# KiCad board RadianceTKL.kicad_pcb
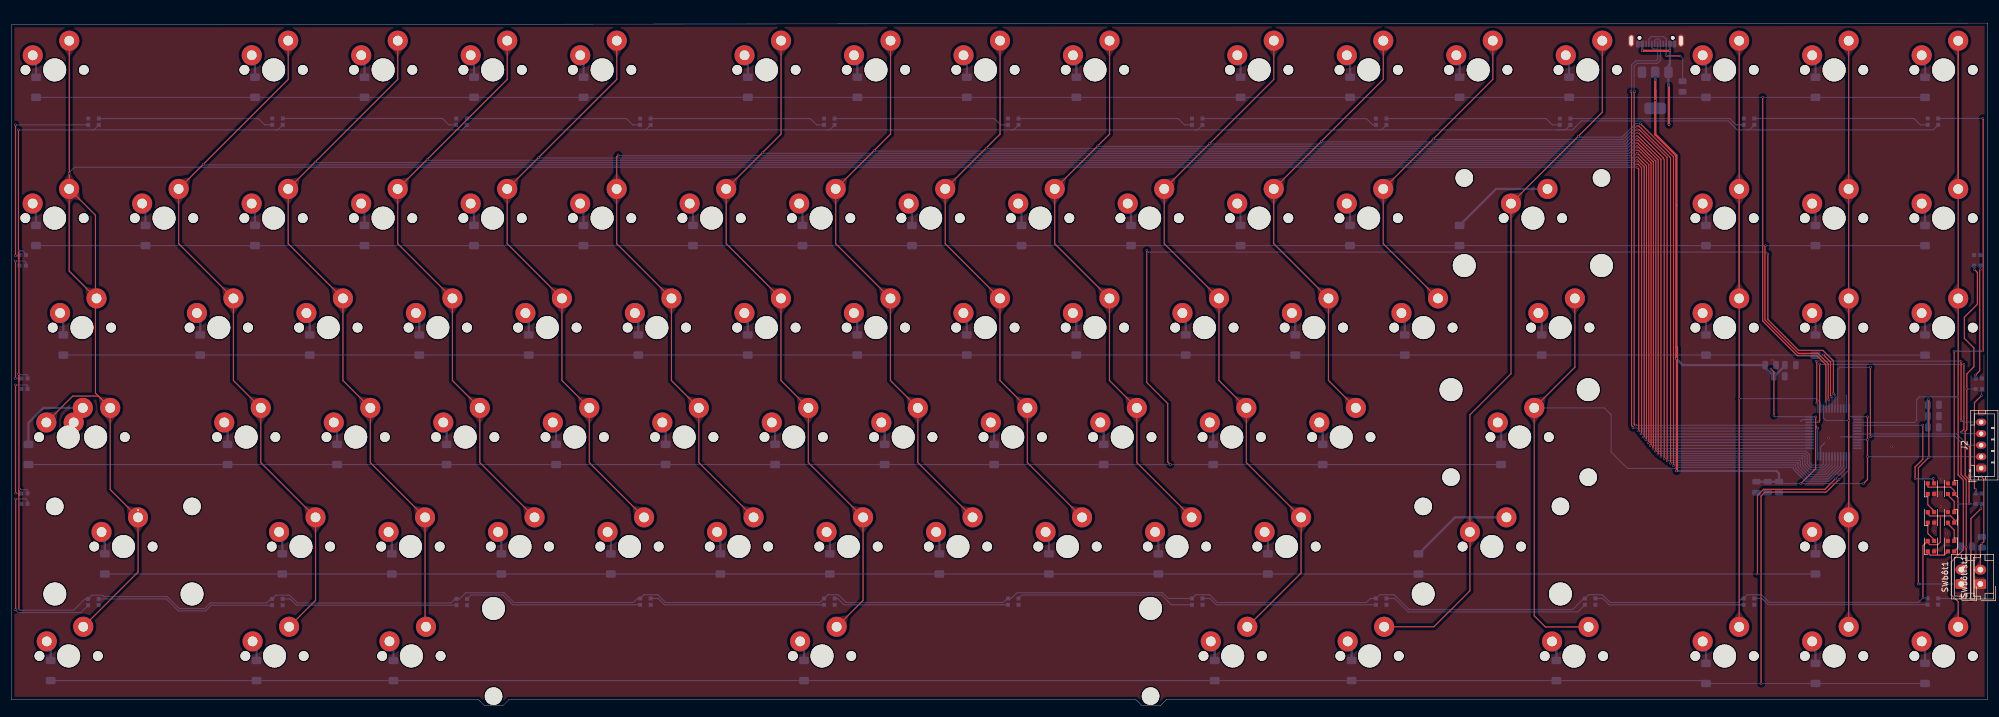
[diagram p0: board, top side]
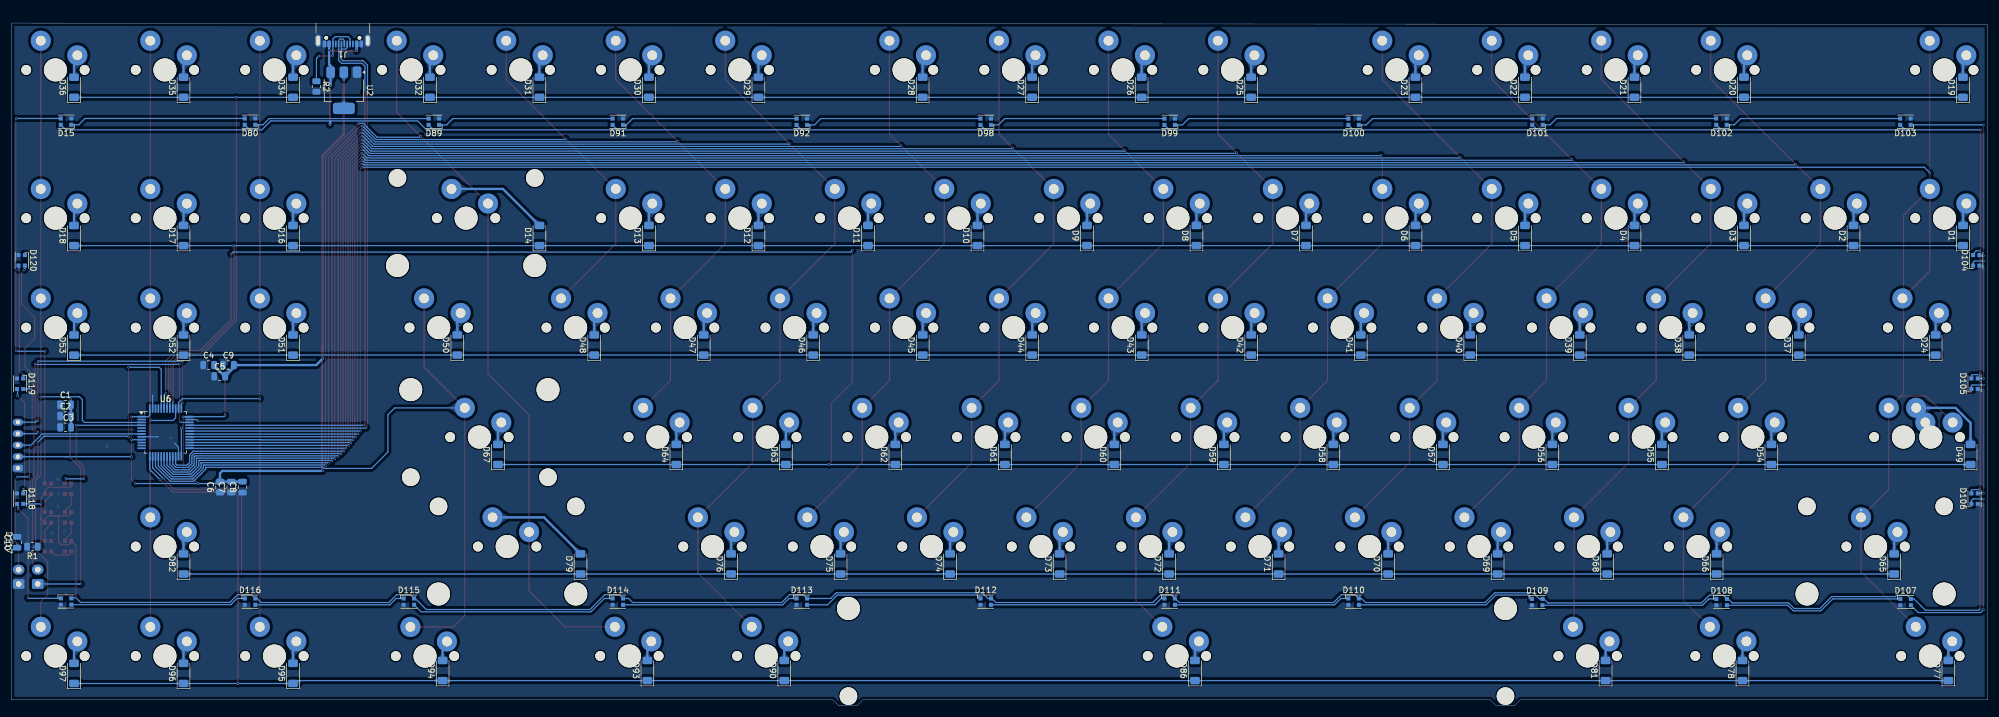
[diagram p1: board, bottom side, seen from below]

Outline 343.75 x 118.75 mm; copper layers: Top, Bottom. Coordinates in mm from the lower left corner of the outline.
Outline path: 0,118.5 0,1 81.25,1 82.25,0 85.5,0 86.5,1 195.62,1 196.62,0 199.88,0 200.88,1 343.75,1 343.75,118.75 0,118.5

## Placement (name value [footprint] x y rotation side)
C1  100nF  [C_0805_2012Metric]  334.35 52.34 180 bottom
C2  4.7uF  [C_0805_2012Metric]  334.35 50.37 180 bottom
C3  100nF  [C_0805_2012Metric]  334.34 48.4 180 bottom
C4  4.7uF  [C_0805_2012Metric]  309.45 59.24 180 bottom
C5  100nF  [C_0805_2012Metric]  307.53 57.29 180 bottom
C6  4.7uF  [C_0805_2012Metric]  307.48 38 90 bottom
C7  100nF  [C_0805_2012Metric]  305.51 38 90 bottom
C8  4.7uF  [C_0805_2012Metric]  303.56 38 90 bottom
C9  4.7uF  [C_0805_2012Metric]  306.02 59.24 180 bottom
C10  4.7uF  [C_0805_2012Metric]  342.78 28.4 90 bottom
D1  D_Small  [D_MiniMELF]  4.25 81.78 90 bottom
D2  D_Small  [D_MiniMELF]  23.3 81.78 90 bottom
D3  D_Small  [D_MiniMELF]  42.36 81.78 90 bottom
D4  D_Small  [D_MiniMELF]  61.4 81.78 90 bottom
D5  D_Small  [D_MiniMELF]  80.46 81.78 90 bottom
D6  D_Small  [D_MiniMELF]  99.5 81.78 90 bottom
D7  D_Small  [D_MiniMELF]  118.55 81.78 90 bottom
D8  D_Small  [D_MiniMELF]  137.61 81.78 90 bottom
D9  D_Small  [D_MiniMELF]  156.65 81.78 90 bottom
D10  D_Small  [D_MiniMELF]  175.71 81.78 90 bottom
D11  D_Small  [D_MiniMELF]  194.75 81.78 90 bottom
D12  D_Small  [D_MiniMELF]  213.8 81.78 90 bottom
D13  D_Small  [D_MiniMELF]  232.86 81.78 90 bottom
D14  D_Small  [D_MiniMELF]  251.9 81.78 90 bottom
D15  WS2812B-2020  [LED_WS2812B-2020_PLCC4_2.0x2.0mm]  334.26 101.6 0 bottom
D16  D_Small  [D_MiniMELF]  294.78 81.77 90 bottom
D17  D_Small  [D_MiniMELF]  313.83 81.77 90 bottom
D18  D_Small  [D_MiniMELF]  332.88 81.77 90 bottom
D19  D_Small  [D_MiniMELF]  4.27 107.57 90 bottom
D20  D_Small  [D_MiniMELF]  42.37 107.58 90 bottom
D21  D_Small  [D_MiniMELF]  61.41 107.58 90 bottom
D22  D_Small  [D_MiniMELF]  80.47 107.58 90 bottom
D23  D_Small  [D_MiniMELF]  99.51 107.58 90 bottom
D24  D_Small  [D_MiniMELF]  9.02 62.73 90 bottom
D25  D_Small  [D_MiniMELF]  128.1 107.58 90 bottom
D26  D_Small  [D_MiniMELF]  147.14 107.58 90 bottom
D27  D_Small  [D_MiniMELF]  166.2 107.58 90 bottom
D28  D_Small  [D_MiniMELF]  185.25 107.58 90 bottom
D29  D_Small  [D_MiniMELF]  213.82 107.58 90 bottom
D30  D_Small  [D_MiniMELF]  232.87 107.58 90 bottom
D31  D_Small  [D_MiniMELF]  251.91 107.58 90 bottom
D32  D_Small  [D_MiniMELF]  270.97 107.58 90 bottom
D33  WS2812B-2020  [LED_WS2812B-2020_PLCC4_2.0x2.0mm]  337.41 37.73 270 top
D34  D_Small  [D_MiniMELF]  294.78 107.57 90 bottom
D35  D_Small  [D_MiniMELF]  313.83 107.57 90 bottom
D36  D_Small  [D_MiniMELF]  332.88 107.57 90 bottom
D37  D_Small  [D_MiniMELF]  32.83 62.73 90 bottom
D38  D_Small  [D_MiniMELF]  51.88 62.73 90 bottom
D39  D_Small  [D_MiniMELF]  70.93 62.73 90 bottom
D40  D_Small  [D_MiniMELF]  89.98 62.73 90 bottom
D41  D_Small  [D_MiniMELF]  109.03 62.73 90 bottom
D42  D_Small  [D_MiniMELF]  128.08 62.73 90 bottom
D43  D_Small  [D_MiniMELF]  147.13 62.73 90 bottom
D44  D_Small  [D_MiniMELF]  166.18 62.73 90 bottom
D45  D_Small  [D_MiniMELF]  185.23 62.73 90 bottom
D46  D_Small  [D_MiniMELF]  204.28 62.73 90 bottom
D47  D_Small  [D_MiniMELF]  223.33 62.73 90 bottom
D48  D_Small  [D_MiniMELF]  242.38 62.73 90 bottom
D49  D_Small  [D_MiniMELF]  2.94 43.68 90 bottom
D50  D_Small  [D_MiniMELF]  266.19 62.73 90 bottom
D51  D_Small  [D_MiniMELF]  294.78 62.72 90 bottom
D52  D_Small  [D_MiniMELF]  313.83 62.72 90 bottom
D53  D_Small  [D_MiniMELF]  332.88 62.72 90 bottom
D54  D_Small  [D_MiniMELF]  37.59 43.68 90 bottom
D55  D_Small  [D_MiniMELF]  56.64 43.68 90 bottom
D56  D_Small  [D_MiniMELF]  75.69 43.68 90 bottom
D57  D_Small  [D_MiniMELF]  94.74 43.68 90 bottom
D58  D_Small  [D_MiniMELF]  113.79 43.68 90 bottom
D59  D_Small  [D_MiniMELF]  132.84 43.68 90 bottom
D60  D_Small  [D_MiniMELF]  151.89 43.68 90 bottom
D61  D_Small  [D_MiniMELF]  170.94 43.68 90 bottom
D62  D_Small  [D_MiniMELF]  189.99 43.68 90 bottom
D63  D_Small  [D_MiniMELF]  209.04 43.68 90 bottom
D64  D_Small  [D_MiniMELF]  228.09 43.68 90 bottom
D65  D_Small  [D_MiniMELF]  16.24 24.63 90 bottom
D66  D_Small  [D_MiniMELF]  47.12 24.63 90 bottom
D67  D_Small  [D_MiniMELF]  259.12 43.68 90 bottom
D68  D_Small  [D_MiniMELF]  66.17 24.63 90 bottom
D69  D_Small  [D_MiniMELF]  85.22 24.63 90 bottom
D70  D_Small  [D_MiniMELF]  104.27 24.63 90 bottom
D71  D_Small  [D_MiniMELF]  123.32 24.63 90 bottom
D72  D_Small  [D_MiniMELF]  142.37 24.63 90 bottom
D73  D_Small  [D_MiniMELF]  161.42 24.63 90 bottom
D74  D_Small  [D_MiniMELF]  180.47 24.63 90 bottom
D75  D_Small  [D_MiniMELF]  199.52 24.63 90 bottom
D76  D_Small  [D_MiniMELF]  218.57 24.63 90 bottom
D77  D_Small  [D_MiniMELF]  6.81 6.09 90 bottom
D78  D_Small  [D_MiniMELF]  42.63 6.09 90 bottom
D79  D_Small  [D_MiniMELF]  244.76 24.63 90 bottom
D80  WS2812B-2020  [LED_WS2812B-2020_PLCC4_2.0x2.0mm]  302.26 101.6 0 bottom
D81  D_Small  [D_MiniMELF]  66.44 6.09 90 bottom
D82  D_Small  [D_MiniMELF]  313.83 24.63 90 bottom
D83  WS2812B-2020  [LED_WS2812B-2020_PLCC4_2.0x2.0mm]  333.91 37.73 90 top
D84  WS2812B-2020  [LED_WS2812B-2020_PLCC4_2.0x2.0mm]  333.91 32.73 90 top
D85  WS2812B-2020  [LED_WS2812B-2020_PLCC4_2.0x2.0mm]  333.91 27.73 90 top
D86  D_Small  [D_MiniMELF]  137.88 6.09 90 bottom
D87  WS2812B-2020  [LED_WS2812B-2020_PLCC4_2.0x2.0mm]  337.41 27.73 270 top
D88  WS2812B-2020  [LED_WS2812B-2020_PLCC4_2.0x2.0mm]  337.41 32.73 270 top
D89  WS2812B-2020  [LED_WS2812B-2020_PLCC4_2.0x2.0mm]  270.27 101.58 0 bottom
D90  D_Small  [D_MiniMELF]  209.32 6.09 90 bottom
D91  WS2812B-2020  [LED_WS2812B-2020_PLCC4_2.0x2.0mm]  238.27 101.58 0 bottom
D92  WS2812B-2020  [LED_WS2812B-2020_PLCC4_2.0x2.0mm]  206.27 101.58 0 bottom
D93  D_Small  [D_MiniMELF]  233.13 6.09 90 bottom
D94  D_Small  [D_MiniMELF]  268.75 6.09 90 bottom
D95  D_Small  [D_MiniMELF]  294.78 5.58 90 bottom
D96  D_Small  [D_MiniMELF]  313.83 5.58 90 bottom
D97  D_Small  [D_MiniMELF]  332.88 5.58 90 bottom
D98  WS2812B-2020  [LED_WS2812B-2020_PLCC4_2.0x2.0mm]  174.27 101.58 0 bottom
D99  WS2812B-2020  [LED_WS2812B-2020_PLCC4_2.0x2.0mm]  142.27 101.58 0 bottom
D100  WS2812B-2020  [LED_WS2812B-2020_PLCC4_2.0x2.0mm]  110.27 101.58 0 bottom
D101  WS2812B-2020  [LED_WS2812B-2020_PLCC4_2.0x2.0mm]  78.28 101.59 0 bottom
D102  WS2812B-2020  [LED_WS2812B-2020_PLCC4_2.0x2.0mm]  46.28 101.6 0 bottom
D103  WS2812B-2020  [LED_WS2812B-2020_PLCC4_2.0x2.0mm]  14.28 101.59 0 bottom
D104  WS2812B-2020  [LED_WS2812B-2020_PLCC4_2.0x2.0mm]  1.96 77.46 90 bottom
D105  WS2812B-2020  [LED_WS2812B-2020_PLCC4_2.0x2.0mm]  2.25 56 90 bottom
D106  WS2812B-2020  [LED_WS2812B-2020_PLCC4_2.0x2.0mm]  2.25 36 90 bottom
D107  WS2812B-2020  [LED_WS2812B-2020_PLCC4_2.0x2.0mm]  14.25 18 180 bottom
D108  WS2812B-2020  [LED_WS2812B-2020_PLCC4_2.0x2.0mm]  46.25 18 180 bottom
D109  WS2812B-2020  [LED_WS2812B-2020_PLCC4_2.0x2.0mm]  78.34 18 180 bottom
D110  WS2812B-2020  [LED_WS2812B-2020_PLCC4_2.0x2.0mm]  110.27 18.08 180 bottom
D111  WS2812B-2020  [LED_WS2812B-2020_PLCC4_2.0x2.0mm]  142.27 18.08 180 bottom
D112  WS2812B-2020  [LED_WS2812B-2020_PLCC4_2.0x2.0mm]  174.27 18.08 180 bottom
D113  WS2812B-2020  [LED_WS2812B-2020_PLCC4_2.0x2.0mm]  206.27 18.08 180 bottom
D114  WS2812B-2020  [LED_WS2812B-2020_PLCC4_2.0x2.0mm]  238.27 18.08 180 bottom
D115  WS2812B-2020  [LED_WS2812B-2020_PLCC4_2.0x2.0mm]  274.62 18.08 180 bottom
D116  WS2812B-2020  [LED_WS2812B-2020_PLCC4_2.0x2.0mm]  302.25 18.08 180 bottom
D117  WS2812B-2020  [LED_WS2812B-2020_PLCC4_2.0x2.0mm]  334.25 18.1 180 bottom
D118  WS2812B-2020  [LED_WS2812B-2020_PLCC4_2.0x2.0mm]  342.25 36 270 bottom
D119  WS2812B-2020  [LED_WS2812B-2020_PLCC4_2.0x2.0mm]  342.25 55.99 270 bottom
D120  WS2812B-2020  [LED_WS2812B-2020_PLCC4_2.0x2.0mm]  341.97 77.46 270 bottom
J1  USB_C_Receptacle_USB2.0_14P  [USB_C_Receptacle_GCT_USB4105-xx-A_16P_TopMnt_Horizontal]  286.1 118.79 0 bottom
J2  Conn_01x05_Socket  [JST_PH_B5B-PH-K_1x05_P2.00mm_Vertical]  342.65 41.3 90 top
R1  R_Small  [R_0805_2012Metric]  340.11 27.65 0 bottom
R2  R_Small  [R_0805_2012Metric]  290.7 107.71 270 bottom
SW1  SW_Push  [MXOnly-1U_N]  7.49 84.81 0 top
SW2  SW_Push  [MXOnly-1U_N]  26.54 84.81 0 top
SW3  SW_Push  [MXOnly-1U_N]  45.59 84.81 0 top
SW4  SW_Push  [MXOnly-1U_N]  64.64 84.81 0 top
SW5  SW_Push  [MXOnly-1U_N]  83.69 84.81 0 top
SW6  SW_Push  [MXOnly-1U_N]  102.74 84.81 0 top
SW7  SW_Push  [MXOnly-1U_N]  121.79 84.81 0 top
SW8  SW_Push  [MXOnly-1U_N]  140.84 84.81 0 top
SW9  SW_Push  [MXOnly-1U_N]  159.89 84.81 0 top
SW10  SW_Push  [MXOnly-1U_N]  178.94 84.81 0 top
SW11  SW_Push  [MXOnly-1U_N]  197.99 84.81 0 top
SW12  SW_Push  [MXOnly-1U_N]  217.04 84.81 0 top
SW13  SW_Push  [MXOnly-1U_N]  236.09 84.81 0 top
SW16  SW_Push  [MXOnly-1U_N]  298.01 84.8 0 top
SW17  SW_Push  [MXOnly-1U_N]  317.06 84.8 0 top
SW18  SW_Push  [MXOnly-1U_N]  336.11 84.8 0 top
SW19  SW_Push  [MXOnly-1U_N]  7.51 110.6 0 top
SW20  SW_Push  [MXOnly-1U_N]  45.6 110.61 0 top
SW21  SW_Push  [MXOnly-1U_N]  64.65 110.61 0 top
SW22  SW_Push  [MXOnly-1U_N]  83.7 110.61 0 top
SW23  SW_Push  [MXOnly-1U_N]  102.75 110.61 0 top
SW24  SW_Push  [MXOnly-1.5U_N]  12.25 65.76 0 top
SW25  SW_Push  [MXOnly-1U_N]  131.33 110.61 0 top
SW26  SW_Push  [MXOnly-1U_N]  150.38 110.61 0 top
SW27  SW_Push  [MXOnly-1U_N]  169.43 110.61 0 top
SW28  SW_Push  [MXOnly-1U_N]  188.48 110.61 0 top
SW29  SW_Push  [MXOnly-1U_N]  217.05 110.61 0 top
SW30  SW_Push  [MXOnly-1U_N]  236.1 110.61 0 top
SW31  SW_Push  [MXOnly-1U_N]  255.15 110.61 0 top
SW32  SW_Push  [MXOnly-1U_N]  274.2 110.61 0 top
SW34  SW_Push  [MXOnly-1U_N]  298.01 110.6 0 top
SW35  SW_Push  [MXOnly-1U_N]  317.06 110.6 0 top
SW36  SW_Push  [MXOnly-1U_N]  336.11 110.6 0 top
SW37  SW_Push  [MXOnly-1U_N]  36.07 65.76 0 top
SW38  SW_Push  [MXOnly-1U_N]  55.12 65.76 0 top
SW39  SW_Push  [MXOnly-1U_N]  74.16 65.76 0 top
SW40  SW_Push  [MXOnly-1U_N]  93.22 65.76 0 top
SW41  SW_Push  [MXOnly-1U_N]  112.26 65.76 0 top
SW42  SW_Push  [MXOnly-1U_N]  131.32 65.76 0 top
SW43  SW_Push  [MXOnly-1U_N]  150.37 65.76 0 top
SW44  SW_Push  [MXOnly-1U_N]  169.41 65.76 0 top
SW45  SW_Push  [MXOnly-1U_N]  188.47 65.76 0 top
SW46  SW_Push  [MXOnly-1U_N]  207.51 65.76 0 top
SW47  SW_Push  [MXOnly-1U_N]  226.57 65.76 0 top
SW48  SW_Push  [MXOnly-1U_N]  245.62 65.76 0 top
SW49  SW_Push  [MXOnly-1.75U_N]  14.63 46.71 0 top
SW50  SW_Push  [MXOnly-1.5U_N]  269.43 65.76 0 top
SW51  SW_Push  [MXOnly-1U_N]  298.01 65.75 0 top
SW52  SW_Push  [MXOnly-1U_N]  317.06 65.75 0 top
SW53  SW_Push  [MXOnly-1U_N]  336.11 65.75 0 top
SW54  SW_Push  [MXOnly-1U_N]  40.83 46.71 0 top
SW55  SW_Push  [MXOnly-1U_N]  59.88 46.71 0 top
SW56  SW_Push  [MXOnly-1U_N]  78.93 46.71 0 top
SW57  SW_Push  [MXOnly-1U_N]  97.98 46.71 0 top
SW58  SW_Push  [MXOnly-1U_N]  117.03 46.71 0 top
SW59  SW_Push  [MXOnly-1U_N]  136.08 46.71 0 top
SW60  SW_Push  [MXOnly-1U_N]  155.13 46.71 0 top
SW61  SW_Push  [MXOnly-1U_N]  174.18 46.71 0 top
SW62  SW_Push  [MXOnly-1U_N]  193.23 46.71 0 top
SW63  SW_Push  [MXOnly-1U_N]  212.28 46.71 0 top
SW64  SW_Push  [MXOnly-1U_N]  231.33 46.71 0 top
SW65  SW_Push  [MXOnly-2.25U_N]  19.47 27.66 0 top
SW66  SW_Push  [MXOnly-1U_N]  50.35 27.66 0 top
SW67  SW_Push  [MXOnly-2.25U-ReversedStabilizers_N]  262.36 46.71 0 top
SW68  SW_Push  [MXOnly-1U_N]  69.4 27.66 0 top
SW69  SW_Push  [MXOnly-1U_N]  88.45 27.66 0 top
SW70  SW_Push  [MXOnly-1U_N]  107.5 27.66 0 top
SW71  SW_Push  [MXOnly-1U_N]  126.55 27.66 0 top
SW72  SW_Push  [MXOnly-1U_N]  145.6 27.66 0 top
SW73  SW_Push  [MXOnly-1U_N]  164.65 27.66 0 top
SW74  SW_Push  [MXOnly-1U_N]  183.7 27.66 0 top
SW75  SW_Push  [MXOnly-1U_N]  202.75 27.66 0 top
SW76  SW_Push  [MXOnly-1U_N]  221.8 27.66 0 top
SW77  SW_Push  [MXOnly-1.25U_N]  9.94 8.62 0 top
SW78  SW_Push  [MXOnly-1.25U_N]  45.75 8.62 0 top
SW81  SW_Push  [MXOnly-1.25U_N]  69.57 8.62 0 top
SW82  SW_Push  [MXOnly-1U_N]  317.06 27.66 0 top
SW86  SW_Push  [MXOnly-7U-ReversedStabilizers_N]  141 8.62 0 top
SW90  SW_Push  [MXOnly-1.25U_N]  212.44 8.62 0 top
SW93  SW_Push  [MXOnly-1.25U_N]  236.25 8.62 0 top
SW94  SW_Push  [MXOnly-1.25U_N]  271.81 8.6 0 top
SW95  SW_Push  [MXOnly-1U_N]  298.01 8.61 0 top
SW96  SW_Push  [MXOnly-1U_N]  317.06 8.61 0 top
SW97  SW_Push  [MXOnly-1U_N]  336.11 8.61 0 top
SW1000  SW_Push  [MXOnly-2.75U_N]  257.52 27.66 0 top
SW1001  SW_Push  [MXOnly-2U_N]  264.66 84.81 0 top
SW1002  SW_Push  [MXOnly-1.25U_N]  9.87 46.71 0 top
SWbôt1  SW_Push  [JST_EH_B2B-EH-A_1x02_P2.50mm_Vertical]  339.18 21.15 90 top
SWbôtrst1  SW_Push  [JST_EH_B2B-EH-A_1x02_P2.50mm_Vertical]  342.51 21.14 90 top
U2  AMS1117  [SOT-223-3_TabPin2]  285.94 107.05 270 bottom
U6  STM32F072-LQFP48  [LQFP-48_7x7mm_P0.5mm]  316.95 47.51 180 bottom

## Library data of the parts
C1-C10 = -: Description: Unpolarized capacitor, small symbol; ki_fp_filters: C_*
D1-D14 D16-D32 D34-D79 D81 D82 D86 D90 D93-D97 = -: Description: Diode, small symbol; Sim.Device: D; Sim.Pins: 1=K 2=A; ki_fp_filters: TO-???* *_Diode_* *SingleDiode* D_*
D15 D33 D80 D83-D85 D87-D89 D91 D92 D98-D120 = -: Datasheet: https://cdn-shop.adafruit.com/product-files/4684/4684_WS2812B-2020_V1.3_EN.pdf; Description: RGB LED with integrated controller, 2.0 x 2.0 mm, 12 mA; ki_fp_filters: LED*WS2812*-2020_PLCC4*
J1 = -: Datasheet: https://www.usb.org/sites/default/files/documents/usb_type-c.zip; Description: USB 2.0-only 14P Type-C Receptacle connector; ki_fp_filters: USB*C*Receptacle*
J2 = -: Description: Generic connector, single row, 01x05, script generated; ki_fp_filters: Connector*:*_1x??_*
R1 R2 = -: Description: Resistor, small symbol; ki_fp_filters: R_*
SW1-SW13 SW16-SW32 SW34-SW78 SW81 SW82 SW86 SW90 SW93-SW97 SW1000-SW1002 SWbôt1 SWbôtrst1 = -: Description: Push button switch, generic, two pins
U2 = -: Datasheet: http://www.advanced-monolithic.com/pdf/ds1117.pdf; Description: 1A Low Dropout regulator, positive, adjustable output, SOT-223; ki_fp_filters: SOT?223*TabPin2*

## Footprints (pads in the part's own frame, mm; a bottom-side part is the same pattern mirrored in y, then rotated)
C_0805_2012Metric
  rrect 1x1.45 smd: 1(-0.95,0) 2(0.95,0)
D_MiniMELF
  rrect 1.3x1.7 smd: 1(-1.75,0) 2(1.75,0)
JST_EH_B2B-EH-A_1x02_P2.50mm_Vertical
  rrect 1.7x2 hole 1: 1(0,0)
  oval 1.7x2 hole 1: 2(2.5,0)
JST_PH_B5B-PH-K_1x05_P2.00mm_Vertical
  rrect 1.2x1.75 hole 0.75: 1(0,0)
  oval 1.2x1.75 hole 0.75: 2(2,0) 3(4,0) 4(6,0) 5(8,0)
LED_WS2812B-2020_PLCC4_2.0x2.0mm
  rect 0.7x0.7 smd: 1(-0.915,0.55) 2(-0.915,-0.55) 3(0.915,-0.55) 4(0.915,0.55)
LQFP-48_7x7mm_P0.5mm
  rrect 1.475x0.3 smd: 1(-4.162,2.75) 2(-4.162,2.25) 3(-4.162,1.75) 4(-4.162,1.25) 5(-4.162,0.75) 6(-4.162,0.25) 7(-4.162,-0.25) 8(-4.162,-0.75) 9(-4.162,-1.25) 10(-4.162,-1.75) 11(-4.162,-2.25) 12(-4.162,-2.75) 25(4.162,-2.75) 26(4.162,-2.25) 27(4.162,-1.75) 28(4.162,-1.25) 29(4.162,-0.75) 30(4.162,-0.25) 31(4.162,0.25) 32(4.162,0.75) 33(4.162,1.25) 34(4.162,1.75) 35(4.162,2.25) 36(4.162,2.75)
  rrect 0.3x1.475 smd: 13(-2.75,-4.162) 14(-2.25,-4.162) 15(-1.75,-4.162) 16(-1.25,-4.162) 17(-0.75,-4.162) 18(-0.25,-4.162) 19(0.25,-4.162) 20(0.75,-4.162) 21(1.25,-4.162) 22(1.75,-4.162) 23(2.25,-4.162) 24(2.75,-4.162) 37(2.75,4.162) 38(2.25,4.162) 39(1.75,4.162) 40(1.25,4.162) 41(0.75,4.162) 42(0.25,4.162) 43(-0.25,4.162) 44(-0.75,4.162) 45(-1.25,4.162) 46(-1.75,4.162) 47(-2.25,4.162) 48(-2.75,4.162)
MXOnly-1.5U_N
  round 1.7 hole 1.7 unplated: (-5.08,0) (5.08,0)
  round 2.5 smd: (-3.81,2.55) (2.54,5.08)
  round 4 hole 4 unplated: (0,0)
  round 3.5 hole 1.7: 1(-3.81,2.54) 2(2.54,5.08)
MXOnly-1.25U_N
  round 1.7 hole 1.7 unplated: (-5.08,0) (5.08,0)
  round 2.5 smd: (-3.81,2.55) (2.54,5.08)
  round 4 hole 4 unplated: (0,0)
  round 3.5 hole 1.7: 1(-3.81,2.54) 2(2.54,5.08)
MXOnly-1.75U_N
  round 1.7 hole 1.7 unplated: (-5.08,0) (5.08,0)
  round 2.5 smd: (-3.81,2.55) (2.54,5.08)
  round 4 hole 4 unplated: (0,0)
  round 3.5 hole 1.7: 1(-3.81,2.54) 2(2.54,5.08)
MXOnly-1U_N
  round 1.7 hole 1.7 unplated: (-5.08,0) (5.08,0)
  round 2.5 smd: (-3.81,2.55) (2.54,5.08)
  round 4 hole 4 unplated: (0,0)
  round 3.5 hole 1.7: 1(-3.81,2.54) 2(2.54,5.08)
MXOnly-2.25U-ReversedStabilizers_N
  round 3.988 hole 3.988 unplated: (-11.938,8.255) (11.938,8.255)
  round 3.048 hole 3.048 unplated: (-11.938,-6.985) (11.938,-6.985)
  round 1.7 hole 1.7 unplated: (-5.08,0) (5.08,0)
  round 2.5 smd: (-3.81,2.55) (2.54,5.08)
  round 4 hole 4 unplated: (0,0)
  round 3.5 hole 1.7: 1(-3.81,2.54) 2(2.54,5.08)
MXOnly-2.25U_N
  round 3.048 hole 3.048 unplated: (-11.938,6.985) (11.938,6.985)
  round 3.988 hole 3.988 unplated: (-11.938,-8.255) (11.938,-8.255)
  round 1.7 hole 1.7 unplated: (-5.08,0) (5.08,0)
  round 2.5 smd: (-3.81,2.55) (2.54,5.08)
  round 4 hole 4 unplated: (0,0)
  round 3.5 hole 1.7: 1(-3.81,2.54) 2(2.54,5.08)
  round 0.4 hole 0.3: 2(2.54,6.34)
MXOnly-2.75U_N
  round 3.048 hole 3.048 unplated: (-11.938,6.985) (11.938,6.985)
  round 3.988 hole 3.988 unplated: (-11.938,-8.255) (11.938,-8.255)
  round 1.7 hole 1.7 unplated: (-5.08,0) (5.08,0)
  round 2.5 smd: (-3.81,2.55) (2.54,5.08)
  round 4 hole 4 unplated: (0,0)
  round 3.5 hole 1.7: 1(-3.81,2.54) 2(2.54,5.08)
MXOnly-2U_N
  round 3.048 hole 3.048 unplated: (-11.938,6.985) (11.938,6.985)
  round 3.988 hole 3.988 unplated: (-11.938,-8.255) (11.938,-8.255)
  round 1.7 hole 1.7 unplated: (-5.08,0) (5.08,0)
  round 2.5 smd: (-3.81,2.55) (2.54,5.08)
  round 4 hole 4 unplated: (0,0)
  round 3.5 hole 1.7: 1(-3.81,2.54) 2(2.54,5.08)
MXOnly-7U-ReversedStabilizers_N
  round 3.988 hole 3.988 unplated: (-57.15,8.255) (57.15,8.255)
  round 3.048 hole 3.048 unplated: (-57.15,-6.985) (57.15,-6.985)
  round 1.7 hole 1.7 unplated: (-5.08,0) (5.08,0)
  round 2.5 smd: (-3.81,2.55) (2.54,5.08)
  round 4 hole 4 unplated: (0,0)
  round 3.5 hole 1.7: 1(-3.81,2.54) 2(2.54,5.08)
R_0805_2012Metric
  rrect 1.025x1.4 smd: 1(-0.912,0) 2(0.912,0)
SOT-223-3_TabPin2
  rrect 2x1.5 smd: 1(-3.15,2.3) 2(-3.15,0) 3(-3.15,-2.3)
  rrect 2x3.8 smd: 2(3.15,0)
USB_C_Receptacle_GCT_USB4105-xx-A_16P_TopMnt_Horizontal
  oval 1x1.8 smd: (-4.32,-1.075) (4.32,-1.075)
  round 0.65 hole 0.65 unplated: (-2.89,2.605) (2.89,2.605)
  rrect 0.6x1.15 smd: A1(-3.2,3.68) A4(-2.4,3.68) A9(2.4,3.68) A12(3.2,3.68) B1(3.2,3.68) B4(2.4,3.68) B9(-2.4,3.68) B12(-3.2,3.68)
  rrect 0.3x1.15 smd: A5(-1.25,3.68) A6(-0.25,3.68) A7(0.25,3.68) A8(1.25,3.68) B5(1.75,3.68) B6(0.75,3.68) B7(-0.75,3.68) B8(-1.75,3.68)
  oval 1x2.1 hole 0.6x1.7: S1(-4.32,3.105) S1(4.32,3.105)

## Nets
+3.3V: C1.2 C2.2 C3.2 C4.2 C5.2 C6.2 C7.2 C8.2 C9.2 J2.2 SWbôt1.1 U2.2 U6.1 U6.9 U6.24 U6.36 U6.48
+5V: D15.4 D33.4 D80.4 D83.4 D84.4 D85.4 D87.4 D88.4 D89.4 D91.4 D92.4 D98.4 D99.4 D100.4 D101.4 D102.4 D103.4 D104.4 D105.4 D106.4 D107.4 D108.4 D109.4 D110.4 D111.4 D112.4 D113.4 D114.4 D115.4 D116.4 D117.4 D118.4 D119.4 D120.4 J1.A4 J1.A9 J1.B4 J1.B9 U2.3
GND: C1.1 C2.1 C3.1 C4.1 C5.1 C6.1 C7.1 C8.1 C9.1 C10.2 D15.2 D33.2 D80.2 D83.2 D84.2 D85.2 D87.2 D88.2 D89.2 D91.2 D92.2 D98.2 D99.2 D100.2 D101.2 D102.2 D103.2 D104.2 D105.2 D106.2 D107.2 D108.2 D109.2 D110.2 D111.2 D112.2 D113.2 D114.2 D115.2 D116.2 D117.2 D118.2 D119.2 D120.2 J1.A1 J1.A12 J1.B1 J1.B12 J1.S1 J2.1 R1.2 R2.2 SWbôtrst1.1 U2.1 U6.8 U6.23 U6.35 U6.47
boot: R1.1 SWbôt1.2 U6.44
C0: SW1.2 SW19.2 SW24.2 SW49.2 SW65.2 SW77.2 SW1002.1 U6.31
C1: SW2.2 SW20.2 SW37.2 SW54.2 SW66.2 SW78.2 U6.30
C2: SW3.2 SW21.2 SW38.2 SW55.2 SW68.2 SW81.2 U6.29
C3: SW4.2 SW22.2 SW39.2 SW56.2 SW69.2 U6.28
C4: SW5.2 SW23.2 SW40.2 SW57.2 SW70.2 U6.27
C5: SW6.2 SW41.2 SW58.2 SW71.2 U6.26
C6: SW7.2 SW25.2 SW42.2 SW59.2 SW72.2 SW86.2 U6.25
C7: SW8.2 SW26.2 SW43.2 SW60.2 SW73.2 U6.22
C8: SW9.2 SW27.2 SW44.2 SW61.2 SW74.2 U6.21
C9: SW10.2 SW28.2 SW45.2 SW62.2 SW75.2 U6.20
C10: SW11.2 SW29.2 SW46.2 SW63.2 SW76.2 SW90.2 U6.19
C11: SW12.2 SW30.2 SW47.2 SW64.2 U6.18
C12: SW13.2 SW31.2 SW48.2 U6.17
C13: SW32.2 SW93.2 SW1000.1 SW1001.1 U6.16
C14: SW50.2 SW67.2 SW94.2 U6.15
C15: SW16.2 SW34.2 SW51.2 SW95.2 U6.38
C16: SW17.2 SW35.2 SW52.2 SW82.2 SW96.2 U6.39
C17: SW18.2 SW36.2 SW53.2 SW97.2 U6.3
CLK: J2.5 U6.37
D+: J1.A6 J1.B6 U6.33
D-: J1.A7 J1.B7 U6.32
DIO: J2.4 U6.34
R0: D19.1 D20.1 D21.1 D22.1 D23.1 D25.1 D26.1 D27.1 D28.1 D29.1 D30.1 D31.1 D32.1 D34.1 D35.1 D36.1 U6.40
R1: D1.1 D2.1 D3.1 D4.1 D5.1 D6.1 D7.1 D8.1 D9.1 D10.1 D11.1 D12.1 D13.1 D14.1 D16.1 D17.1 D18.1 U6.41
R2: D24.1 D37.1 D38.1 D39.1 D40.1 D41.1 D42.1 D43.1 D44.1 D45.1 D46.1 D47.1 D48.1 D50.1 D51.1 D52.1 D53.1 U6.42
R3: D49.1 D54.1 D55.1 D56.1 D57.1 D58.1 D59.1 D60.1 D61.1 D62.1 D63.1 D64.1 D67.1 U6.43
R4: D65.1 D66.1 D68.1 D69.1 D70.1 D71.1 D72.1 D73.1 D74.1 D75.1 D76.1 D79.1 D82.1 U6.14
R5: D77.1 D78.1 D81.1 D86.1 D90.1 D93.1 D94.1 D95.1 D96.1 D97.1 U6.13
RGB: D83.3 U6.4
RST: C10.1 J2.3 SWbôtrst1.2 U6.7
Net-(D1-A): D1.2 SW1.1
Net-(D2-A): D2.2 SW2.1
Net-(D3-A): D3.2 SW3.1
Net-(D4-A): D4.2 SW4.1
Net-(D5-A): D5.2 SW5.1
Net-(D6-A): D6.2 SW6.1
Net-(D7-A): D7.2 SW7.1
Net-(D8-A): D8.2 SW8.1
Net-(D9-A): D9.2 SW9.1
Net-(D10-A): D10.2 SW10.1
Net-(D11-A): D11.2 SW11.1
Net-(D12-A): D12.2 SW12.1
Net-(D13-A): D13.2 SW13.1
Net-(D14-A): D14.2 SW1001.2
Net-(D15-DIN): D15.3 D33.1
Net-(D15-DOUT): D15.1 D80.3
Net-(D16-A): D16.2 SW16.1
Net-(D17-A): D17.2 SW17.1
Net-(D18-A): D18.2 SW18.1
Net-(D19-A): D19.2 SW19.1
Net-(D20-A): D20.2 SW20.1
Net-(D21-A): D21.2 SW21.1
Net-(D22-A): D22.2 SW22.1
Net-(D23-A): D23.2 SW23.1
Net-(D24-A): D24.2 SW24.1
Net-(D25-A): D25.2 SW25.1